# Altium PCB PCB1.PcbDoc (part 1 of 5) (continued)
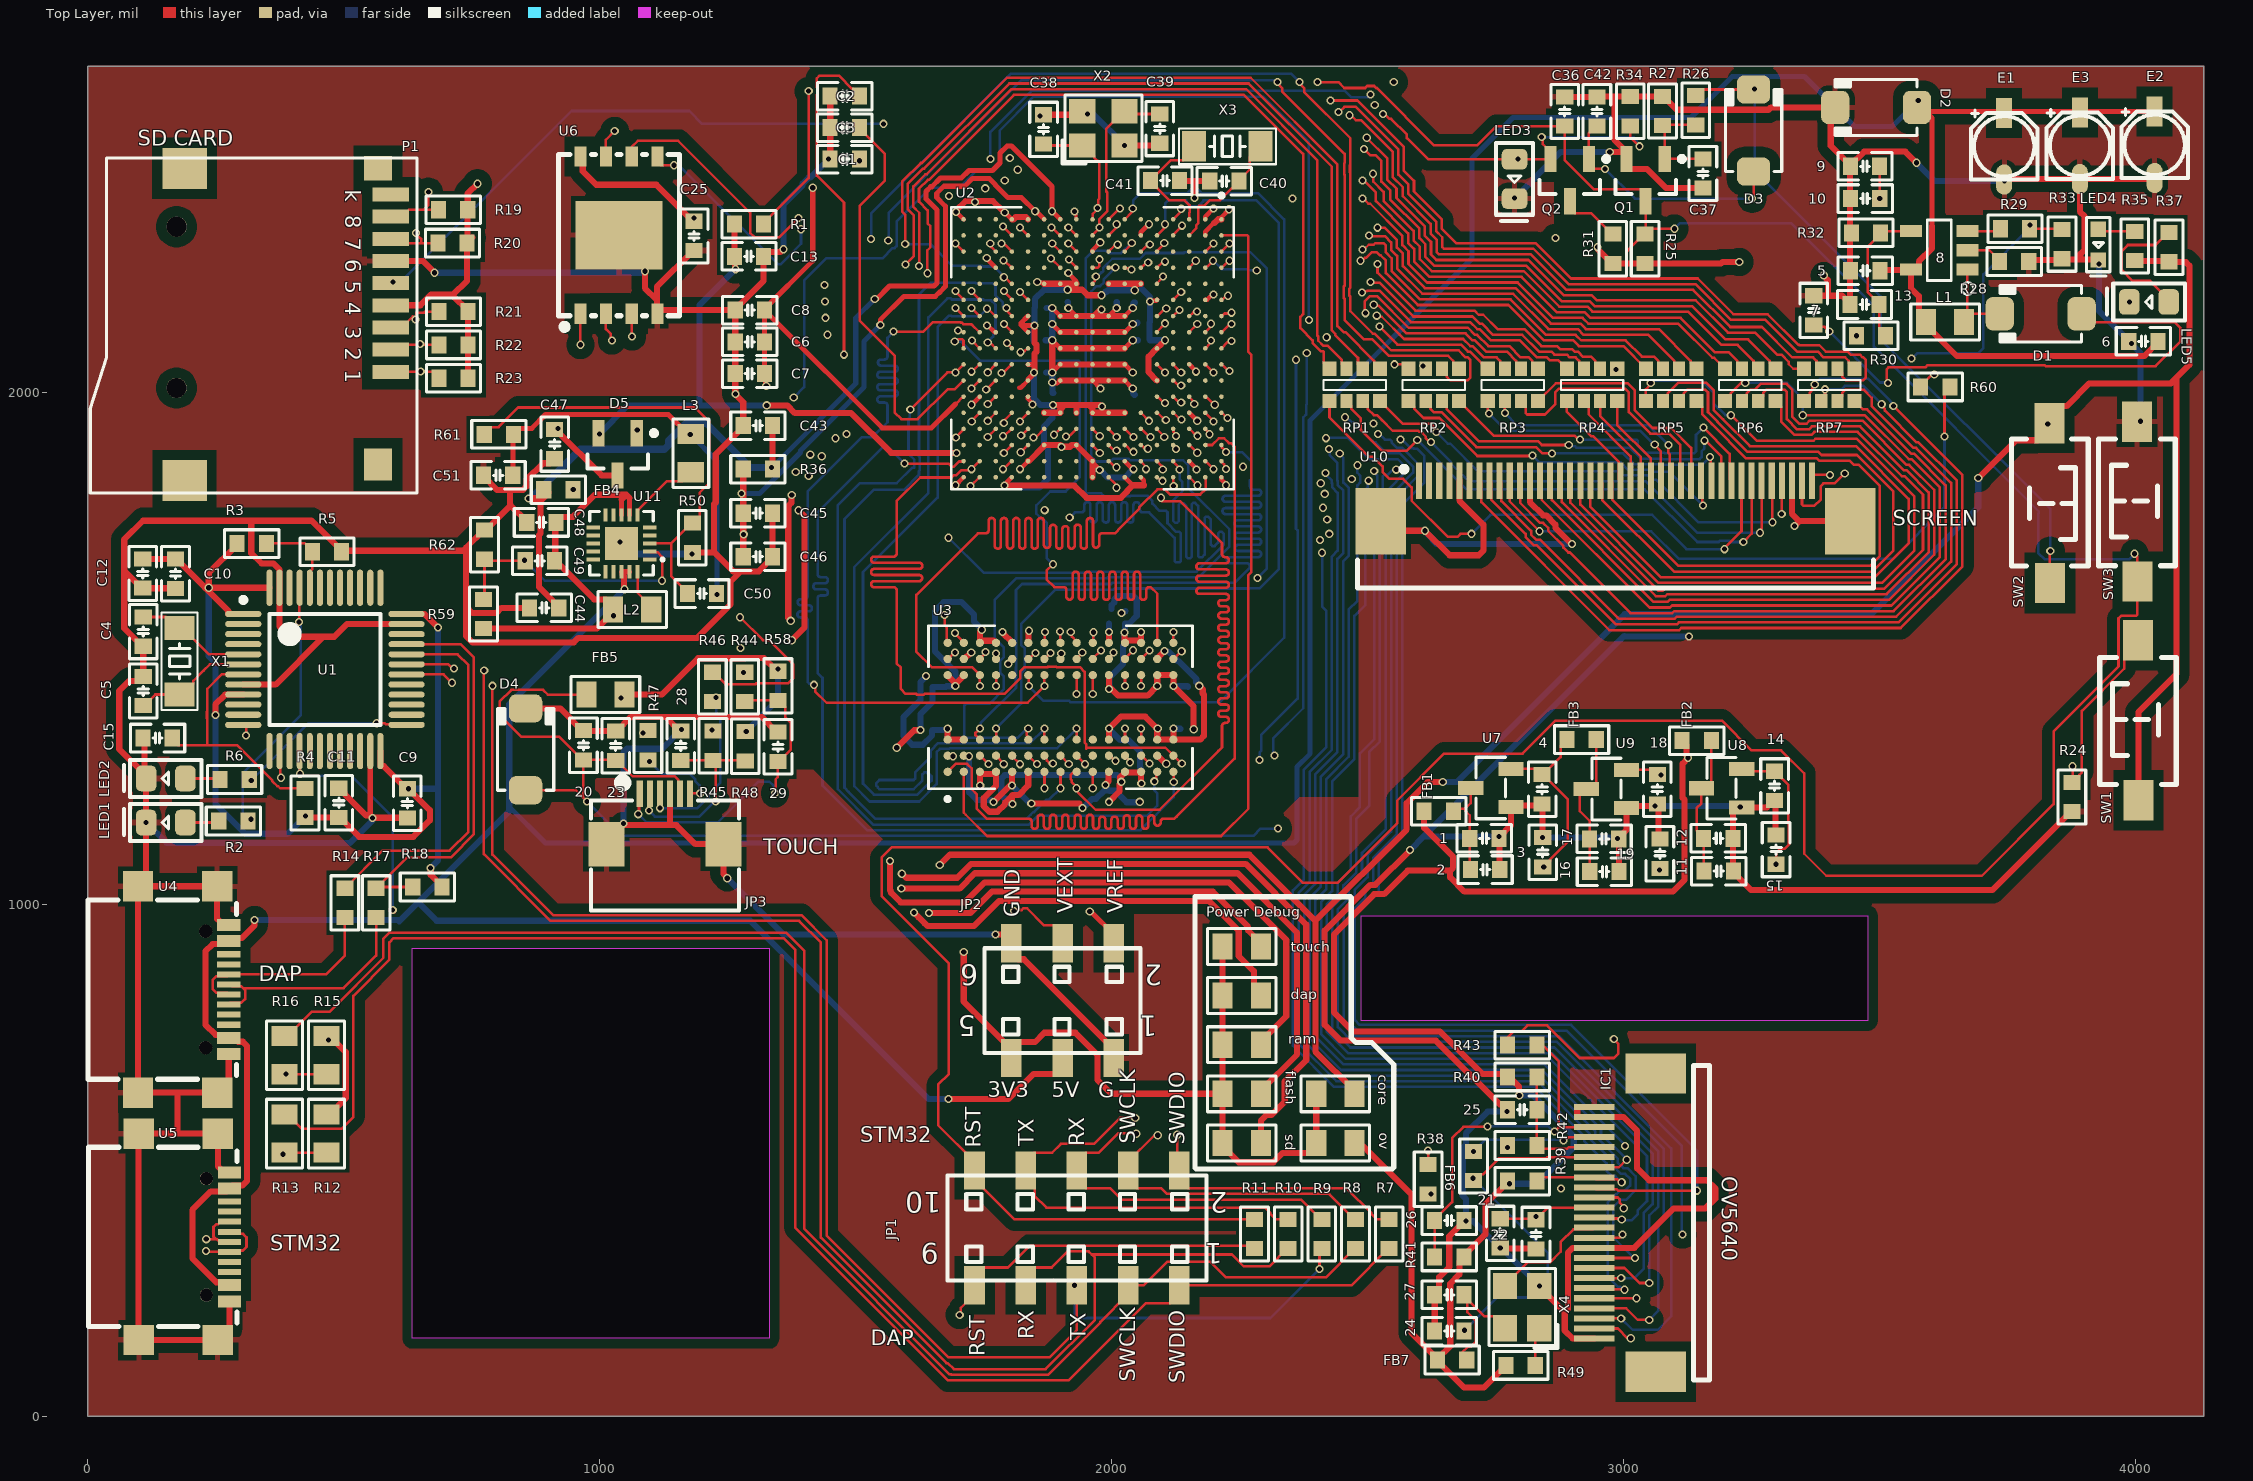
[diagram p0: Top Layer view]
## Footprints (in the part's own frame and the unit in brackets; to place one, negate y for a bottom-side part, rotate by r counter-clockwise, add the part's x,y. Pads: shape width x height; smd on the part's side, far side on the other; paste and mask are expansions set on the pad) (continued)
FPC0.5-WT-6P [mm]
  rect 1.8x2.2 smd: 0(-2.9,0) 0(2.9,0)
  rect 0.3x1.3 smd: 1(-1.25,2.497) 2(-0.75,2.497) 3(-0.25,2.497) 4(0.25,2.497) 5(0.75,2.497) 6(1.25,2.497)
  silkscreen extent -3.67,-3.3 3.67,3.23, body extent -3.6,-3.15 3.6,2.85, height 2
HDR2.54-M-LS-2x3P [mm]
  rect 1.02x1.9 smd: 1(-2.54,2.85) 2(-2.54,-2.85) 3(0,2.85) 4(0,-2.85) 5(2.54,2.85) 6(2.54,-2.85)
  silkscreen extent -3.87,-2.6 3.87,2.6, body extent -3.84,-3.2 3.84,3.2, height 5.15
HDR2.54-M-LS-2x5P [mm]
  rect 1.02x1.9 smd: 1(-5.08,2.85) 2(-5.08,-2.85) 3(-2.54,2.85) 4(-2.54,-2.85) 5(0,2.85) 6(0,-2.85) 7(2.54,2.85) 8(2.54,-2.85) 9(5.08,2.85) 10(5.08,-2.85)
  silkscreen extent -6.42,-2.6 6.41,2.6, body extent -6.38,-3.2 6.38,3.2, height 5.15
IC_STM32H750XBH6 [mm]
  round 0.225 smd paste+0.012 mask+0.032: A1(-6.4,6.4) A2(-5.6,6.4) A3(-4.8,6.4) A4(-4,6.4) A5(-3.2,6.4) A6(-2.4,6.4) A7(-1.6,6.4) A8(-0.8,6.4) A9(0,6.4) A10(0.8,6.4) A11(1.6,6.4) A12(2.4,6.4) A13(3.2,6.4) A14(4,6.4) A15(4.8,6.4) A16(5.6,6.4) A17(6.4,6.4) B1(-6.4,5.6) B2(-5.6,5.6) B3(-4.8,5.6) B4(-4,5.6) B5(-3.2,5.6) B6(-2.4,5.6) B7(-1.6,5.6) B8(-0.8,5.6) B9(0,5.6) B10(0.8,5.6) B11(1.6,5.6) B12(2.4,5.6) B13(3.2,5.6) B14(4,5.6) B15(4.8,5.6) B16(5.6,5.6) B17(6.4,5.6) C1(-6.4,4.8) C2(-5.6,4.8) C3(-4.8,4.8) C4(-4,4.8) C5(-3.2,4.8) C6(-2.4,4.8) C7(-1.6,4.8) C8(-0.8,4.8) C9(0,4.8) C10(0.8,4.8) C11(1.6,4.8) C12(2.4,4.8) C13(3.2,4.8) C14(4,4.8) C15(4.8,4.8) C16(5.6,4.8) C17(6.4,4.8) D1(-6.4,4) D2(-5.6,4) D3(-4.8,4) D4(-4,4) D5(-3.2,4) D6(-2.4,4) D7(-1.6,4) D8(-0.8,4) D9(0,4) D10(0.8,4) D11(1.6,4) D12(2.4,4) D13(3.2,4) D14(4,4) D15(4.8,4) D16(5.6,4) D17(6.4,4) E1(-6.4,3.2) E2(-5.6,3.2) E3(-4.8,3.2) E4(-4,3.2) E5(-3.2,3.2) E6(-2.4,3.2) E7(-1.6,3.2) E8(-0.8,3.2) E9(0,3.2) E10(0.8,3.2) E11(1.6,3.2) E12(2.4,3.2) E13(3.2,3.2) E14(4,3.2) E15(4.8,3.2) E16(5.6,3.2) E17(6.4,3.2) F1(-6.4,2.4) F2(-5.6,2.4) F3(-4.8,2.4) F4(-4,2.4) F5(-3.2,2.4) F13(3.2,2.4) F14(4,2.4) F15(4.8,2.4) F16(5.6,2.4) F17(6.4,2.4) G1(-6.4,1.6) G2(-5.6,1.6) G3(-4.8,1.6) G4(-4,1.6) G5(-3.2,1.6) G7(-1.6,1.6) G8(-0.8,1.6) G9(0,1.6) G10(0.8,1.6) G11(1.6,1.6) G13(3.2,1.6) G14(4,1.6) G15(4.8,1.6) G16(5.6,1.6) G17(6.4,1.6) H1(-6.4,0.8) H2(-5.6,0.8) H3(-4.8,0.8) H4(-4,0.8) H5(-3.2,0.8) H7(-1.6,0.8) H8(-0.8,0.8) H9(0,0.8) H10(0.8,0.8) H11(1.6,0.8) H13(3.2,0.8) H14(4,0.8) H15(4.8,0.8) H16(5.6,0.8) H17(6.4,0.8) J1(-6.4,0) J2(-5.6,0) J3(-4.8,0) J4(-4,0) J5(-3.2,0) J7(-1.6,0) J8(-0.8,0) J9(0,0) J10(0.8,0) J11(1.6,0) J13(3.2,0) J14(4,0) J15(4.8,0) J16(5.6,0) J17(6.4,0) K1(-6.4,-0.8) K2(-5.6,-0.8) K3(-4.8,-0.8) K4(-4,-0.8) K5(-3.2,-0.8) K7(-1.6,-0.8) K8(-0.8,-0.8) K9(0,-0.8) K10(0.8,-0.8) K11(1.6,-0.8) K13(3.2,-0.8) K14(4,-0.8) K15(4.8,-0.8) K16(5.6,-0.8) K17(6.4,-0.8) L1(-6.4,-1.6) L2(-5.6,-1.6) L3(-4.8,-1.6) L4(-4,-1.6) L5(-3.2,-1.6) L7(-1.6,-1.6) L8(-0.8,-1.6) L9(0,-1.6) L10(0.8,-1.6) L11(1.6,-1.6) L13(3.2,-1.6) L14(4,-1.6) L15(4.8,-1.6) L16(5.6,-1.6) L17(6.4,-1.6) M1(-6.4,-2.4) M2(-5.6,-2.4) M3(-4.8,-2.4) M4(-4,-2.4) M5(-3.2,-2.4) M13(3.2,-2.4) M14(4,-2.4) M15(4.8,-2.4) M16(5.6,-2.4) M17(6.4,-2.4) N1(-6.4,-3.2) N2(-5.6,-3.2) N3(-4.8,-3.2) N4(-4,-3.2) N5(-3.2,-3.2) N6(-2.4,-3.2) N7(-1.6,-3.2) N8(-0.8,-3.2) N9(0,-3.2) N10(0.8,-3.2) N11(1.6,-3.2) N12(2.4,-3.2) N13(3.2,-3.2) N14(4,-3.2) N15(4.8,-3.2) N16(5.6,-3.2) N17(6.4,-3.2) P1(-6.4,-4) P2(-5.6,-4) P3(-4.8,-4) P4(-4,-4) P5(-3.2,-4) P6(-2.4,-4) P7(-1.6,-4) P8(-0.8,-4) P9(0,-4) P10(0.8,-4) P11(1.6,-4) P12(2.4,-4) P13(3.2,-4) P14(4,-4) P15(4.8,-4) P16(5.6,-4) P17(6.4,-4) R1(-6.4,-4.8) R2(-5.6,-4.8) R3(-4.8,-4.8) R4(-4,-4.8) R5(-3.2,-4.8) R6(-2.4,-4.8) R7(-1.6,-4.8) R8(-0.8,-4.8) R9(0,-4.8) R10(0.8,-4.8) R11(1.6,-4.8) R12(2.4,-4.8) R13(3.2,-4.8) R14(4,-4.8) R15(4.8,-4.8) R16(5.6,-4.8) R17(6.4,-4.8) T1(-6.4,-5.6) T2(-5.6,-5.6) T3(-4.8,-5.6) T4(-4,-5.6) T5(-3.2,-5.6) T6(-2.4,-5.6) T7(-1.6,-5.6) T8(-0.8,-5.6) T9(0,-5.6) T10(0.8,-5.6) T11(1.6,-5.6) T12(2.4,-5.6) T13(3.2,-5.6) T14(4,-5.6) T15(4.8,-5.6) T16(5.6,-5.6) T17(6.4,-5.6) U1(-6.4,-6.4) U2(-5.6,-6.4) U3(-4.8,-6.4) U4(-4,-6.4) U5(-3.2,-6.4) U6(-2.4,-6.4) U7(-1.6,-6.4) U8(-0.8,-6.4) U9(0,-6.4) U10(0.8,-6.4) U11(1.6,-6.4) U12(2.4,-6.4) U13(3.2,-6.4) U14(4,-6.4) U15(4.8,-6.4) U16(5.6,-6.4) U17(6.4,-6.4)
  silkscreen extent -7.67,-7 7,7, body extent -7,-7 7,7, height 1.1
L0805 [mm]
  rect 1x1.3 smd: 1(-0.95,0) 2(0.95,0)
  silkscreen extent -1.7,-0.89 1.7,0.89, body extent -1,-0.65 1,0.65, height 1.3
LED0603_R [mil]
  rect 30x30 smd: 1(-30,0) 2(30,0)
  silkscreen extent -53,-23 61,23, body extent -31,-16 32,16, height 18
LED0805_G [mil]
  rrect50% 40x50 smd: 1(-38.4,0) 2(38.4,0)
  silkscreen extent -70,-36 82,36, body extent -39,-25 39,25, height 32
LQFP48_N [mm]
  oval 1.8x0.3 smd: 1(-4.05,2.75) 2(-4.05,2.25) 3(-4.05,1.75) 4(-4.05,1.25) 5(-4.05,0.75) 6(-4.05,0.25) 7(-4.05,-0.25) 8(-4.05,-0.75) 9(-4.05,-1.25) 10(-4.05,-1.75) 11(-4.05,-2.25) 12(-4.05,-2.75) 25(4.05,-2.75) 26(4.05,-2.25) 27(4.05,-1.75) 28(4.05,-1.25) 29(4.05,-0.75) 30(4.05,-0.25) 31(4.05,0.25) 32(4.05,0.75) 33(4.05,1.25) 34(4.05,1.75) 35(4.05,2.25) 36(4.05,2.75)
  oval 0.3x1.8 smd: 13(-2.75,-4.05) 14(-2.25,-4.05) 15(-1.75,-4.05) 16(-1.25,-4.05) 17(-0.75,-4.05) 18(-0.25,-4.05) 19(0.25,-4.05) 20(0.75,-4.05) 21(1.25,-4.05) 22(1.75,-4.05) 23(2.25,-4.05) 24(2.75,-4.05) 37(2.75,4.05) 38(2.25,4.05) 39(1.75,4.05) 40(1.25,4.05) 41(0.75,4.05) 42(0.25,4.05) 43(-0.25,4.05) 44(-0.75,4.05) 45(-1.25,4.05) 46(-1.75,4.05) 47(-2.25,4.05) 48(-2.75,4.05)
  silkscreen extent -4.17,-2.75 2.75,3.57, body extent -4.5,-4.5 4.5,4.5, height 1.45
"MICRO SD" [mm]
  round 1 hole 1 unplated: 0(-4,0) 0(4,0)
  rect 0.7x1.8 smd: 1(3.2,10.627) 2(2.1,10.627) 3(1,10.627) 4(-0.1,10.627) 5(-1.2,10.627) 6(-2.3,10.627) 7(-3.4,10.627) 8(-4.5,10.627) 9(-5.6,10.627)
  rect 2.032x2.2 smd: 10(-6.9,0.4) 10(8.6,0.4)
  rect 1.2x1.4 smd: 10(-6.9,10)
  rect 1.6x1.4 smd: 10(7.8,10)
  silkscreen extent -7.4,-4.28 9.2,11.94, body extent -7.05,-3.87 8.95,11.38, height 2
OSC-3225-4P [mm]
  rect 1.3x1.2 smd: 1(-1.05,-0.85) 2(1.05,-0.85) 3(1.05,0.85) 4(-1.05,0.85)
  silkscreen extent -2.03,-1.75 1.91,1.65, body extent -1.6,-1.25 1.6,1.25, height 0.7
OV2640 [mm]
  rect 2x3 smd: 0(-7.4,1.476) 0(7.4,1.476)
  rect 0.3x2 smd: 1(-5.746,-1.574) 2(-5.248,-1.576) 3(-4.748,-1.576) 4(-4.248,-1.576) 5(-3.748,-1.576) 6(-3.248,-1.576) 7(-2.748,-1.576) 8(-2.248,-1.576) 9(-1.748,-1.576) 10(-1.248,-1.576) 11(-0.748,-1.576) 12(-0.248,-1.576) 13(0.252,-1.576) 14(0.752,-1.576) 15(1.252,-1.576) 16(1.752,-1.576) 17(2.252,-1.576) 18(2.752,-1.576) 19(3.252,-1.576) 20(3.752,-1.576) 21(4.252,-1.576) 22(4.752,-1.576) 23(5.252,-1.576) 24(5.752,-1.576)
  silkscreen extent -7.8,3.34 7.8,4.13
QFN-20_L3.0-W3.0-P0.40-BL-EP1.7 [mm]
  rect 0.2x0.665 smd paste-100 mask+0.051: 1(-0.8,-1.22) 2(-0.4,-1.22) 3(0,-1.22) 4(0.4,-1.22) 5(0.8,-1.22) 11(0.8,1.595) 12(0.4,1.595) 13(0,1.595) 14(-0.4,1.595) 15(-0.8,1.595)
  rect 0.665x0.2 smd paste-100 mask+0.051: 6(1.407,-0.612) 7(1.407,-0.212) 8(1.407,0.188) 9(1.407,0.588) 10(1.407,0.988) 16(-1.407,0.988) 17(-1.407,0.588) 18(-1.407,0.188) 19(-1.407,-0.212) 20(-1.407,-0.612)
  rect 1.65x1.65 smd paste-100 mask+0.051: 21(0,0.188)
  silkscreen extent -1.58,-1.93 1.58,1.76
R0603_L [mm]
  rect 0.75x0.85 smd: 1(-0.725,0) 2(0.725,0)
  silkscreen extent -1.35,-0.69 1.35,0.69, body extent -0.8,-0.4 0.8,0.4, height 0.4
R0805_L [mm]
  rect 1x1.3 smd: 1(-0.95,0) 2(0.95,0)
  silkscreen extent -1.7,-0.89 1.7,0.89, body extent -1,-0.62 1,0.63, height 0.5
SMA [mil]
  rrect50% 55x65 smd: 1(80,0) 2(-80,0)
  silkscreen extent -80,-55 80,55, body extent -98,-53 98,53, height 85
SOT23-3N [mm]
  rect 0.6x1.3 smd: 1(-0.95,-1.05) 2(0.95,-1.05) 3(0,1.05)
  silkscreen extent -1.93,-1.17 1.5,0.7, body extent -1.5,-1.2 1.5,1.2, height 1.05
SOT-23(OT)5_LEAD [mm]
  rect 0.6x1.1 smd: 1(-0.95,-1.4) 2(0,-1.4) 3(0.95,-1.4) 4(0.95,1.4) 5(-0.95,1.4)
  silkscreen extent -2.2,-1.7 1.5,0.6
SOT-23-3_L2.9-W1.3-P1.90-LS2.4-BR [mm]
  rect 1.25x0.7 smd paste+0 mask+0.051: 1(431.596,-422.514) 2(431.596,-420.614) 3(429.597,-421.564)
  silkscreen extent 429.87,-423.09 431.32,-420.04
"SW SMD-3*6*2.5" [mm]
  rect 2x1.5 smd: 1(-3.996,-0.02) 2(3.937,0)
  silkscreen extent -3.21,-1.9 3.09,1.9, body extent -4,-1.75 4,1.75, height 2.59
USB-C-SMD_ZX-TYPEC-WTM1628 [mm]
  rect 1.5x1.5 smd paste+0 mask+0.051: 13(-5.12,2.817) 14(-5.12,-1.113) 15(5.12,2.817) 16(5.12,-1.113)
  rect 0.6x1.15 smd paste+0 mask+0.051: A1B12(-3.2,3.392) A4B9(-2.4,3.392) B1A12(3.2,3.392) B4A9(2.4,3.392)
  rect 0.3x1.15 smd paste+0 mask+0.051: A5(-1.25,3.392) A6(-0.25,3.392) A7(0.25,3.392) A8(1.25,3.392) B5(1.75,3.392) B6(0.75,3.392) B7(-0.75,3.392) B8(-1.75,3.392)
  round 0.65 hole 0.65 unplated paste+0: ""(-2.89,2.249) ""(2.89,2.249)
  silkscreen extent -4.44,-3.59 4.45,3.77
WSON-8_L8.0-W6.0-P1.27-TL-EP-1 [mm]
  rect 1x0.6 smd paste+0 mask+0.05: 1(-3.75,1.905) 2(-3.75,0.635) 3(-3.75,-0.635) 4(-3.75,-1.905) 5(4.05,-1.905) 6(4.05,-0.635) 7(4.05,0.635) 8(4.05,1.905)
  rect 3.4x4.3 smd paste+0 mask+0.05: 9(0.15,0)
  silkscreen extent -4.55,-3 4.15,3
XTAL-3215-2P [mm]
  rect 1.2x1.5 smd: 1(-1.65,0) 2(1.65,0)
  silkscreen extent -2.41,-0.89 2.41,0.89, body extent -1.6,-0.75 1.6,0.75, height 0.61
XTAL-3225-4P [mm]
  rect 1.3x1.2 smd: 1(-1.05,-0.85) 2(1.05,-0.85) 3(1.05,0.85) 4(-1.05,0.85)
  silkscreen extent -2.03,-1.75 1.91,1.65, body extent -1.6,-1.25 1.6,1.25, height 0.7

## Part data
1 2 3 4 5 6 7 9 10 11 12 13 14 15 16 17 18 19 20 21 22 23 24 25 26 27 28 29 C1 C2 C3 C4 C5 C6 C7 C8 C9 C10 C11 C12 C13 C14 C15 C16 C17 C18 C19 C20 C21 C22 C23 C24 C25 C26 C27 C29 C30 C31 C32 C33 C34 C35 C36 C37 C38 C39 C40 C41 C42 C43 C44 C45 C46 C47 C48 C49 C50 C51: library part C, "贴片电容/MLCC电容"
8: "LED Driver IC 1 Output DC DC Regulator Step-Up (Boost) Analog, PWM Dimming 750mA (Switch) TSOT-23-5"
core dap flash ov R1 R2 R3 R4 R5 R6 R7 R8 R9 R10 R11 R12 R13 R14 R15 R16 R17 R18 R19 R20 R21 R22 R23 R24 R25 R26 R27 R28 R29 R30 R31 R32 R33 R34 R35 R36 R37 R38 R39 R40 R41 R42 R43 R44 R45 R46 R47 R48 R49 R50 R58 R59 R60 R61 R62 ram sd touch: library part R, "贴片电阻"
D1: "肖特基二极管"
D2: library part SS14, "肖特基二极管"
D3 D4: "整流二极管"
D5: "两路肖特基二极管"
E1 E2 E3: library part CE_SMD, "贴片电解电容"
FB1 FB2 FB3 FB4 FB5 FB6 FB7: library part FB, "贴片磁珠"
JP1: "5*2P接插件"
JP2: library part "Header 3X2", "3*2P接插件"
JP3: library part "Header 6", "6P连接器"
L1 L2 L3: library part L, "贴片小功率电感"
LED1 LED2 LED3 LED4 LED5: library part LED, "贴片LED"
P1: library part "Micro SD_SD", "自弹式TF卡座"
Q1 Q2: library part 8050-SMD, "高频放大-NPN型"
RP1 RP2 RP3 RP4 RP5 RP6 RP7: library part RES_4P
SW1 SW2 SW3: library part "SW 3x6", "3x6轻触开关"
U1: "STM32 ARM-based 32-bit MCU Performance Line with 64 kB Flash, 20 kB Internal RAM, -40 to +85癈 Temperature, 48-Pin LQFP, Tray"
U2: "ARMÂ® CortexÂ®-M7 STM32H7 Microcontroller IC 32-Bit 480MHz 128KB (128K x 8) FLASH 240+25-TFBGA (14x14)"
U3: "SDRAM Memory IC 128Mb _4M x 32_ Parallel 167MHz 5.4ns 90-VFBGA _8x13_"
U9: library part LN6206P282MR-G
X1 X3: library part XTAL-2P, "2脚无源晶振(谐振器）"
X2: library part XTAL-4P, "4脚无源晶振(谐振器）"
X4: library part XTAL-ACT-4P, "4脚有源晶振(振荡器)"

## Via types
v1: diameter 16, hole 10, Top Layer to Bottom Layer, tented both sides, 590 vias

## Nets (pads, with @x,y where several pads share a name; then routed paths per layer and width w, separated by ;. In a path a pad name is that pad's centre, name@x,y a point inside that pad or via, vN(x,y) a via of type N, cw(c..) or ccw(c..) an arc to the next point about the centre after c; other vN are vias at no path point)
+1.5_ov: 18.2 19.2 IC1.10 U9.2 | length 2047.7
  Top Layer w5: IC1.10@2942.94,427.43 2988.78,427.43 2992.43,423.79 2992.43,417.23 3000.39,409.27 v1(3000.39,406.29) ; U9.2@3006,1262.8 3056.74,1262.8 18.2@3066,1253.54 3072.45,1253.54 v1(3073.28,1252.72) ; v1(3070,1067) 3071,1068 19.2@3071,1070.46
  Layer 1 w5: v1(3000.39,406.29) 2940.31,406.29 2846.6,500 2698,500 2685.5,512.5 2685.5,663.5 2642,707 2499,707 2429,777 2429,974 2487.18,1032.18 2780.18,1032.18 2804,1056 2804,1056.82 2837.13,1089.96 2941.53,1089.96 2964.49,1067 v1(3070,1067)
  Layer 3 w5: v1(3070,1067) 3070,1069.98 3078.27,1078.25 3078.27,1199.06 3073.28,1204.06 v1(3073.28,1252.72)
+1.8_h7: C6.1 C7.1 C8.1 C50.2 C51.1 L3.1 R61.1 U2.A6 U2.C17 U2.U12 | length 5756.3
  Top Layer w5: 1694.76,1977.76 1695.52,1977.76 1709.76,1992.01 U2.U12@1710.51,1992.01 ; U2.C17@2151.46,1834.53 2151.6,1834.53 2167.35,1818.78 v1(2167.5,1818.78) ; U2.A6@2214.45,2180.98 2215.49,2180.98 2221.56,2187.05 2225.08,2187.05 v1(2227.18,2189.15)
  Top Layer w10: C51.1@829.81,1838.31 830.54,1839.04 830.54,1917.58 R61.1@831.26,1918.31 831.26,1920.28 841.03,1930.04 866.86,1930.04 894.05,1957.24 1133.69,1957.24 1172.62,1918.31 v1(1176.72,1918.31) ; v1(1325,2013) 1324.5,2012.5 1323.85,2013.15 1323.85,2034.69 C7.1@1321.54,2037 C6.1@1321.54,2099 C8.1@1321.54,2159.03 ; v1(1416,2400) 1416,2257.43 1321.54,2162.97 C8.1@1321.54,2161 C8.1@1321.54,2159.03 ; 1694.76,1977.76 1648,1931 1551.54,1931 1333.28,2149.27 1331.31,2149.27 C8.1@1321.54,2159.03
  Layer 1 w10: v1(1176.72,1918.31) 1231.31,1918.31 1325,2012 v1(1325,2013) ; v1(1416,2400) 1416,2560 1450,2594 2290,2594 2361.3,2522.7 2472.17,2522.7 2474.74,2525.26 2477.26,2525.26 v1(2514,2562)
  Layer 2 w10: v1(2425,1724) 2456,1693 2648,1693 2684,1729 2684,1837.7 2707,1860.7 2707,2107 2891,2291 2891,2324 2803,2412 2733,2412 2574,2571 2549.31,2571 2541.31,2563 2515,2563 v1(2514,2562)
  Layer 3 w10: v1(2227.18,2189.15) 2297.39,2189.15 2345.24,2237 2346,2237 2368.06,2259.06 2368.06,2268.58 2462.24,2362.76 2462.24,2394.67 2460,2396.91 2460,2430.3 2480.79,2451.09 2484.54,2451.09 2490.45,2457 2500.87,2457 2549,2505.13 2549,2551.81 2537.81,2563 2522.07,2563 2517.07,2558 2514,2558 v1(2514,2562)
  Layer 4 w10: v1(2167.5,1818.78) 2167.5,1793.73 2117,1743.23 2117,1731 2126,1722 2252,1722 2271,1741 2405,1741 2413,1733 2417.87,1733 2425,1725.87 v1(2425,1724)
  Bottom Layer w10: v1(1176.72,1918.31) 1228.72,1866.31 v1(1228.72,1605.31)
+2.8_ov: 3.2 4.2 FB3.2 FB6.1 IC1.4 R38.1 U7.2 | length 1931.6
  Top Layer w5: FB6.1@2618,491.54 v1(2618,519) ; v1(2706.49,517.12) 2706.72,517.12 R38.1@2706.98,517.39 ; U7.2@2780,1264.8 2829.74,1264.8 4.2@2841,1253.54 4.2@2842.97,1253.54 ; v1(2843.97,1073.46) 2856.23,1085.72 2856.23,1087.69 2891.19,1122.65 2891.19,1205.32 4.2@2842.97,1253.54 ; v1(2877.98,445.29) 2878.98,446.28 v1@2878.98,448.1 ; v1(2882.7,539.02) 2885.68,539.02 2892.2,545.54 IC1.4@2942.94,545.54 ; FB3.2@2889.46,1322 2877.19,1309.74 2877.19,1287.77 4.2@2842.97,1253.54
  Layer 1 w5: v1(2706.49,517.12) 2706.49,667.51 2653,721 2500.56,721 2447,774.56 2447,971 2497.18,1021.18 2791.69,1021.18 v1(2843.97,1073.46)
  Layer 2 w5: v1(2877.98,445.29) 2877.98,521.02 2880.6,523.64 2880.6,536.92 v1(2882.7,539.02)
  Layer 3 w5: v1(2618,519) 2618.94,518.06 2705.55,518.06 v1(2706.49,517.12)
  Bottom Layer w5: v1(2706.49,517.12) 2729.39,540.02 2764.69,540.02 2766.17,541.5 2779.83,541.5 2781.31,540.02 2881.7,540.02 v1(2882.7,539.02)
+3.3: C48.2 C49.2 core.2 dap.2 flash.2 JP2.5 L2.1 ov.2 R59.1 ram.2 sd.2 touch.2 U11.7 U11.8 | length 3290.1
  Top Layer w10: U11.8@1042.34,1760.72 1042.34,1791.21 ; U11.7@1058.09,1760.72 1058.09,1793.8
  Top Layer w12: R59.1@772.72,1538.77 994.08,1538.77 L2.1@1020.16,1564.84 ; L2.1@1020.16,1569 1020.16,1587.78 1012.04,1595.9 989.1,1595.9 924.42,1660.58 920.03,1660.58 911.26,1669.34 C49.2@911.26,1671.31 912.76,1672.81 912.76,1744.81 C48.2@914.26,1746.31 914.26,1748.26 923.03,1757.03 947.03,1757.03 990.38,1800.38 1051.5,1800.38 ; v1(1027,1564) L2.1@1032,1569 ; 1042.34,1791.21 1051.5,1800.38 ; 1058.09,1793.8 1051.5,1800.38 ; v1(1711,907) 1711,810.12 JP2.5@1804,717.12 ; JP2.5@1804,699.8 JP2.5@1804,717.12 ; touch.2@2216.6,918 dap.2@2216.6,822 ram.2@2216.6,726 flash.2@2216.6,630 ; core.2@2399.6,630 ov.2@2399.6,534 2399.6,528.09 2385.91,514.41 2334.06,514.41 2316.06,496.41 2248.28,496.41 2216.6,528.09 sd.2@2216.6,534 flash.2@2216.6,630 ; JP2.5@1804,717.12 1818.08,731.2 1850.2,731.2 1868.2,749.2 1929.05,749.2 1971.92,706.32 1971.92,657.42 1999.34,630 flash.2@2216.6,630
  Layer 3 w12: v1(1027,1564) 1027,1502.57 1238.57,1291 1489,1291 1712,1068 1712,988.54 1711,987.54 v1(1711,907)
+3.3_dap: C9.2 C10.2 C11.2 C12.2 dap.1 R3.2 R4.2 R12.1 R15.1 R18.1 U1.1 U1.9 U1.24 U1.36 U1.48 | length 4991.9
  Top Layer w12: C12.2@107,1675 107.23,1674.77 170.77,1674.77 C10.2@171,1674.54 172.97,1674.54 v1@228.94,1618.57 ; v1(249,1370) 249,1390.64 268.17,1409.81 303.34,1409.81 U1.9@303.43,1409.91 ; R3.2@291.46,1705 291.46,1703.03 236,1647.57 v1(236,1618.57) ; U1.1@303.43,1567.39 274.09,1567.39 274,1567.48 274,1573.51 v1@228.94,1618.57 ; U1.48@354.61,1618.57 v1(236,1618.57) ; v1(425,1173) 428.31,1169.69 489.77,1169.69 C11.2@490,1169.91 491.97,1169.91 529.88,1132 635.55,1132 668.03,1164.48 668.03,1183.94 v1(625.97,1226) C9.2@624,1226 622.03,1226 577.8,1270.24 571.24,1270.24 571.15,1270.33 U1.24@571.15,1299.67 ; R12.1@466,589.8 471.91,589.8 503.59,621.49 503.59,711.35 R15.1@474.97,739.97 ; U1.36@622.33,1567.39 622.43,1567.29 657.59,1567.29 v1(684,1540.88) ; v1(669,1071) 669.77,1070.23 669.77,1057.75 R18.1@691.54,1035.97 ; v1(1614,984) 1623,975 1623,974.72 1634.72,963 1635,963 1640,958 1731,958 1780,1007 2189.84,1007 2248.28,948.56 2248.28,898.87 2277.72,869.44 2277.72,835.69 dap.1@2291.4,822 ; v1@228.94,1618.57 v1(236,1618.57)
  Layer 3 w12: v1(425,1173) 425,879 470,834 v1(470,735) ; v1(684,1540.88) 734.3,1490.59 900.39,1490.59 1076.35,1314.63 1107.46,1314.63 1185.09,1237 1443.28,1237 1614,1066.28 v1(1614,984)
  Bottom Layer w12: v1(236,1618.57) 236,1485 249,1472 v1(249,1370) 249,1196.42 307.42,1138 390,1138 v1(425,1173) ; v1(625.97,1226) 684,1226 ; v1(669,1071) 684,1086 684,1226 ; v1(684,1540.88) 684,1226
+3.3_fl: C25.2 flash.1 U6.8 | length 2980.8
  Top Layer w12: U6.8@962.42,2461.04 966.67,2456.8 966.67,2432.33 993,2406 1110.57,2406 C25.2@1179.79,2336.79 ; v1(1373,1554) 1373,1555.08 1368,1560.08 1368,1778.28 1374.23,1784.52 1374.23,1799.23 v1(1375,1800) ; v1(1589,1031) 1702.66,1031 1732.66,1061 2246,1061 2362,945 2362,706.5 2291.4,635.91 flash.1@2291.4,630
  Layer 1 w12: v1(1373,1554) 1470,1457 1470,1354.46 1542,1282.46 1542,1044 1555,1031 v1(1589,1031)
  Layer 3 w12: v1(1184,2341) 1211,2314 1211,2023 1293,1941 1293,1854 1347,1800 v1(1375,1800)
+3.3_h7: C13.2 C26.2 C27.2 C29.2 C30.2 C31.2 C32.2 C33.2 C34.2 C35.2 core.1 D5.2 FB4.1 R1.1 R25.2 R31.2 R35.1 R37.1 SW1.1 SW2.1 U2.E6 U2.E9 U2.E11 U2.F5 U2.F17 U2.G5 U2.G13 U2.G17 U2.H5 U2.H13 U2.J13 U2.K5 U2.K13 U2.L5 U2.L13 U2.M5 U2.M13 U2.N7 U2.N8 U2.N10 U2.N11 U2.N12 U2.P17 | length 12413
  Top Layer w8.86: v1(1790.3,1818.49) 1790.3,1819.83 U2.P17@1805,1834.53 ; 1819.62,2009.39 1822.38,2009.39 U2.N11@1836.5,2023.5 ; 1822.5,2133.74 1822.5,2131.99 U2.N8@1836.5,2117.99 ; U2.N12@1836.5,1992.01 1836.5,1987.45 1845.33,1978.62 v1(1845.33,1976.69) ; v1(1854.64,2215.72) 1856,2214.36 1866.11,2214.36 U2.M5@1867.99,2212.48 ; v1(1915.24,2233.81) 1915.24,2233.42 1930.98,2217.67 U2.K5@1930.98,2212.48 ; U2.G17@2025.47,1834.53 2041.22,1818.78 ; U2.F17@2056.97,1834.53 2062.79,1828.71 2062.79,1824.42 ; v1(2075,2177.92) 2076.37,2179.29 2086.77,2179.29 U2.E6@2088.46,2180.98 ; 2096.34,2094.37 v1(2104.21,2102.24)
  Top Layer w10: U2.N11@1836.5,2023.5 1836.5,2025.49 1848.38,2037.38 v1(1848.38,2039) ; U2.N10@1836.5,2055 1846.31,2055 1849,2057.69 ; U2.N7@1836.5,2149.49 1836.5,2149.36 1822.5,2135.36 1822.5,2133.74 1823.65,2132.59 1827.57,2132.59 1829.16,2131 v1(1849,2131)
  Top Layer w12: FB4.1@947.54,1810 v1(948,1810.46) ; R1.1@1262.91,2329 C13.2@1262.91,2266 1264.23,2264.68 1264.23,2241.77 v1(1265,2241) ; v1(1326,1975) 1366.24,1975 1381.24,1960 1491,1960 1569,1882 v1(1697,1882) ; v1(1664.1,1076.82) 1664.1,1077.1 1684,1097 2269,1097 2398,968 ; v1(1790.3,1818.49) 1790.7,1818.1 1926.9,1818.1 1951,1794 2017.75,1794 2029.63,1805.87 2029.63,1806.91 2041.5,1818.78 ; v1(1848.38,2039) 1849,2039.62 1849,2057.69 1849,2075.77 1852.93,2079.69 1852.93,2093.3 1849,2097.23 v1(1849,2131) ; U2.M13@1867.99,1960.51 U2.L13@1899.49,1960.51 1899.49,1966.84 1908.52,1975.87 ; U2.M5@1867.99,2212.48 U2.L5@1899.49,2212.48 1915.24,2212.48 ; v1(1885.32,1975.87) 1908.52,1975.87 ; U2.K13@1930.98,1960.51 1930.98,1975.13 1931.73,1975.87 ; U2.K5@1930.98,2212.48 1915.24,2212.48 ; v1(1980,2190) 1952.95,2190 1942.13,2200.81 v1(1914,2200.81) 1914.76,2201.58 1914.76,2212.01 1915.24,2212.48 ; v1(1981,1973) 1978.13,1975.87 1954.93,1975.87 ; U2.H5@1993.98,2212.48 U2.G5@2025.47,2212.48 2046,2212.48 ; U2.G13@2025.47,1960.51 U2.H13@1993.98,1960.51 U2.J13@1962.48,1960.51 1962.48,1968.32 1954.93,1975.87 ; 2041.22,1818.78 2041.5,1818.78 ; v1(2045,2199.81) 2045.76,2200.58 2045.76,2212.24 2046,2212.48 ; U2.F5@2056.97,2212.48 2046,2212.48 ; 2062.79,1818.78 2041.5,1818.78 ; U2.E11@2088.46,2023.5 2072.04,2039.93 2072.04,2070.07 U2.E9@2088.46,2086.5 2096.34,2094.37 ; core.1@2474.4,630 2474.4,635.91 2398,712.31 2398,968 ; v1(2646.77,1239) 2617,1239 2576,1198 2576,1146 2398,968 ; v1(2949,2284) 2949,2280.49 2977.03,2252.46 R31.2@2979,2252.46 R25.2@3042,2252.46 3190.46,2252.46 3193,2255 v1(3226,2255) ; v1(3693,1833) 3766.94,1906.94 3808.69,1906.94 3828.69,1926.95 v1(3828.69,1938.79) ; SW2.1@3832.21,1940.31 3832.21,1950.16 3855.74,1973.68 3865.58,1973.68 3909.9,2018 4068.97,2018 4080,2029.03 ; R35.1@3998.58,2257.91 3999.81,2256.69 4064.35,2256.69 R37.1@4065.58,2255.46 4066.04,2255 4098.29,2255 4105.31,2247.97 4105.31,2054.34 4080,2029.03 ; SW1.1@4005.79,1203.69 4005.79,1375.79 4080,1450 4080,2029.03 ; 1908.52,1975.87 1931.73,1975.87 ; 1931.73,1975.87 1954.93,1975.87
  Layer 1 w12: v1(3226,2255) 3295.97,2255 3439.97,2399 3508.87,2399 3828.69,2079.17 v1@3828.69,1942 ; 3781.3,1942 v1@3828.69,1942 ; v1(3828.69,1938.79) v1@3828.69,1942
  Layer 3 w12: v1(999,1919) 948,1868 v1(948,1810.46) 948,1660 999,1609 999,1474 1200,1273 1467.92,1273 v1(1664.1,1076.82) ; v1(1697,1882) 1697.8,1882.8 1726,1882.8 v1(1790.3,1818.49)
  Layer 4 w12: v1(1265,2241) 1284,2260 1284,2514 1338,2568 2160,2568 2272,2456 2521,2456 2549,2428 2805,2428 v1(2949,2284)
  Bottom Layer w12: v1(999,1919) 1055,1975 1194.54,1975 ; v1(1265,2241) 1194.54,2170.54 1194.54,1975 ; v1(1326,1975) 1194.54,1975 ; v1(1790.3,1818.49) 1823.45,1818.49 1826.94,1815 1859,1815 1875.25,1831.25 1875.25,1891.35 1867.46,1899.14 1867.46,1933.63 1884.13,1950.3 1884.13,1974.68 v1(1885.32,1975.87) 1860.13,1975.87 1848.38,1987.62 v1(1848.38,2039) ; C35.2@1847.19,2102 C29.2@1847.19,2132.94 ; C29.2@1849.19,2134.94 1849.19,2165 1850.08,2165.89 1850.08,2183.08 1867.81,2200.81 v1(1914,2200.81) ; v1(1980,2190) 1981.08,2190 1988.08,2197 1990,2197 1992.81,2199.81 C26.2@2010,2199.81 ; C26.2@2010,2199.92 2019.01,2199.92 2019.12,2199.81 v1(2045,2199.81) ; 2058.68,2202.32 2074.23,2186.77 2074.23,2178.69 v1(2075,2177.92) 2075,2163.18 2074.7,2162.88 2074.7,2137.89 2073.81,2137 2073.81,2103.99 2074.81,2102.99 2074.81,2102 2074.93,2102.12 2104.09,2102.12 v1(2104.21,2102.24) ; v1(2646.77,1239) 2674,1239 3002,1567 3484,1567 3693,1776 v1(3693,1833)
+3.3_ov: FB1.2 FB2.2 FB7.1 ov.1 R39.2 R40.2 R41.2 R49.2 | length 3169.4
  Top Layer w12: ov.1@2485,534 2586,433 2586,162.43 FB7.1@2636.46,111.97 ; FB1.2@2610.46,1182 2610.46,1149.54 2667,1093 2667,1072 2661,1066 ; R49.2@2770.44,99.3 2770.44,97.33 2761.67,88.57 2759.71,88.57 2727.14,56 2688.49,56 2636.46,108.03 FB7.1@2636.46,110 FB7.1@2636.46,111.97 ; R39.2@2773.44,457.33 2730.25,414.14 2730.25,355.45 2688.07,313.27 R41.2@2688.07,311.3 2679.3,302.54 2679.3,277 2661.3,259 2661.3,136.82 FB7.1@2636.46,111.97 ; v1(2796.23,627) 2795.47,627.77 2795.47,644.55 2773.44,666.58 2773.44,668.55 2724.43,668.55 2640.98,752 2471,752 2434,789 2434,940.97 2513.03,1020 2532,1020 2578,1066 2661,1066 ; FB2.2@3114.46,1320 3123.22,1311.24 3123.22,1290.08 3125.76,1287.54 v1(3125.76,1286.46) 3125.76,1285.37 3115.39,1275 3115.39,1208.25 3119.09,1204.55 3119.09,1186.1 3119.19,1186 3119.19,1048.19 3096,1025 2689,1025 2661,1053 2661,1066
  Bottom Layer w12: v1(2776.98,454.3) 2830.98,454.3 2902.7,526.02 2902.7,547.31 2823.01,627 v1(2796.23,627)
+3.3_ram: C14.2 C16.2 C17.2 C18.2 C19.2 C20.2 C21.2 C22.2 C23.2 C24.2 ram.1 U3.A7 U3.B2 U3.B7 U3.C9 U3.D9 U3.E1 U3.F9 U3.L1 U3.L7 U3.M9 U3.N9 U3.P2 U3.P7 U3.R7 | length 3657.1
  Top Layer w12: v1(1567,1085) 1567,1027.54 1569,1025.54 1569,1022.72 1587.72,1004 1713,1004 1752,1043 2228.65,1043 2341.09,930.56 2341.09,781.59 2291.4,731.91 ram.1@2291.4,726 ; v1(1580.14,1306.14) 1614.23,1340.23 1625.42,1340.23 v1(1626.19,1341) ; U3.A7@1679.53,1447.99 1679.53,1446.87 1693.73,1432.66 1693.73,1427.69 v1(1694.5,1426.92) 1695.27,1427.69 1695.27,1431.11 1711.02,1446.87 U3.B7@1711.02,1447.99 ; U3.B2@1711.02,1290.51 1711.5,1290.04 1721,1290.04 v1(1721.47,1289.56) ; v1(1746.02,1536.5) 1746.02,1535.42 1742.52,1531.92 U3.C9@1742.52,1510.98 1743.64,1510.98 1747.66,1515 1768.88,1515 1772.88,1511 U3.D9@1774.02,1510.98 ; v1(1769,1200) 1800.73,1231.73 1804.23,1231.73 v1(1805,1232.5) 1805.26,1232.76 1805.26,1258.76 U3.E1@1805.51,1259.02 ; U3.F9@1837.01,1510.98 1837.75,1511.73 1837.75,1533.96 v1(1838.5,1534.71) ; v1(1843,1197) 1937.28,1197 ; v1(1987.83,1233.5) 1987.83,1234.58 1993.7,1240.45 1993.7,1258.22 U3.L1@1994.49,1259.02 ; v1(1994.49,1420.89) 1994.49,1433.88 U3.L7@1994.49,1447.99 ; v1@1995.57,1424.83 2012.48,1407.92 2069.98,1407.92 2088.84,1426.79 v1(2088.89,1426.79) ; v1(2025,1531) 2025.19,1530.81 2025.19,1511.78 U3.M9@2025.98,1510.98 2027.11,1510.98 2031.74,1515.62 2051.72,1515.62 2056.36,1510.98 U3.N9@2057.48,1510.98 v1(2057.48,1532.06) ; U3.P2@2088.98,1290.51 2089.85,1290.51 2105.6,1274.76 v1(2106.47,1274.76) ; v1@2088.98,1426.92 U3.P7@2088.98,1447.99 U3.R7@2120.47,1447.99 2120.47,1433.89 v1(2120.47,1426.92) 2160,1387.39 2160,1342.68 v1(2160.37,1342.31)
  Layer 1 w12: v1(1567,1085) 1567,1291.92 1580.14,1305.06 v1(1580.14,1306.14) ; v1(1746.02,1536.5) 1769.46,1513.06 1805.37,1513.06 1826.26,1533.94 1837.73,1533.94 v1(1838.5,1534.71)
  Layer 2 w12: v1(1626.19,1341) 1657.19,1310 1701.03,1310 v1(1721.47,1289.56) ; v1(2054.71,1200.41) 2055.79,1200.41 2072.6,1217.22 2086.9,1217.22 2102.27,1232.6 2102.27,1269.48 2106.47,1273.68 v1(2106.47,1274.76) 2144.56,1312.85 2144.56,1325.41 2160.37,1341.22 v1(2160.37,1342.31)
  Layer 3 w12: v1@1622.11,1338 1625.11,1341 v1(1626.19,1341)
  Bottom Layer w12: v1(1626.19,1341) 1626.19,1371.63 1649.81,1395.26 1649.81,1425 1676.53,1425 1677.68,1426.16 1693.73,1426.16 v1(1694.5,1426.92) 1694.5,1454.5 1654.56,1494.44 1654.56,1573.39 1671.67,1590.5 1706.64,1590.5 1730.7,1566.44 1730.7,1552.9 1746.02,1537.58 v1(1746.02,1536.5) ; v1(1721.47,1289.56) 1721.47,1219.04 1736.32,1204.19 1764.81,1204.19 v1(1769,1200) ; v1(1805,1232.5) 1840.5,1197 v1(1843,1197) ; v1(1942.93,1188.52) 1944.01,1188.52 1961.75,1206.25 1969.24,1206.25 1985.98,1223 1995,1223 1995.89,1222.11 2006.5,1222.11 2029.13,1199.49 2054.71,1199.49 v1(2054.71,1200.41) ; v1(1994.49,1420.89) 1995.25,1421.66 1995.25,1443.13 2022.4,1470.27 2022.4,1504.49 2024.23,1506.32 2024.23,1530.23 v1(2025,1531) 2025.77,1531.77 2025.77,1548.49 2033.79,1548.49 2048.82,1563.52 2048.82,1596.26 2042.38,1602.7 2011.61,1602.7 2005.17,1596.26 2005.17,1589.85 1999.83,1584.51 C17.2@1999.83,1577.14 ; v1(2120.47,1426.92) 2121.24,1426.15 2148.3,1426.15 2149.19,1425.26 C16.2@2149.19,1425
+3.3_sd: P1.4 R19.1 R20.1 R21.1 R22.1 R23.1 sd.1 | length 3969.9
  Top Layer w12: P1.4@591.39,2170.42 649.41,2170.42 669.99,2191 713,2191 ; R23.1@742.54,2026.03 742.54,2159.97 713,2189.51 713,2191 ; R20.1@751.28,2302.73 749.31,2302.73 R20.1@741.27,2294.7 ; v1(761,2408) 742,2389 R19.1@742,2357 741.27,2356.27 R20.1@741.27,2294.7 ; v1(1375,1516) 1400,1541 1400,1758 v1(1388,1770) ; v1(1590,1060) 1591.03,1060 1599.03,1052 1698.21,1052 1725.21,1079 2261.54,1079 2380,960.54 2380,696 2338.08,654.08 2338.08,614.43 2312.16,588.51 2302.33,588.51 2291.4,577.59 sd.1@2291.4,534 ; 713,2191 740.54,2218.54 740.54,2293.97 R20.1@741.27,2294.7
  Layer 1 w12: v1(1375,1516) 1447,1444 1447,1352 1518,1281 1518,1033 1541,1010 1604.97,1010 1612,1017.03 1612,1052 1604.77,1059.23 1590.77,1059.23 v1(1590,1060)
  Layer 3 w12: v1(761,2408) 1082,2408 1189,2301 1189,2007 1271,1925 1271,1843 1344,1770 v1(1388,1770)
+3.3_to: FB5.1 R48.2 R58.2 touch.1 | length 2040
  Top Layer w12: v1(1041.36,1403.36) 1041.76,1403.36 FB5.1@1048.4,1410 1121,1410 1192,1481 1282.84,1481 1283.12,1481.28 1320.3,1481.28 1341.57,1460 v1(1348,1460) R58.2@1348,1455.54 ; v1(1643,983) 1724,983 1766,1025 2197.3,1025 2266.28,956.02 2266.28,949.02 2291.4,923.91 touch.1@2291.4,918
  Layer 3 w12: v1(1041.36,1403.36) 1079.99,1364.73 1082.81,1364.73 1192.54,1255 1450.74,1255 1643,1062.74 v1(1643,983)
  Bottom Layer w12: v1(1286,1338) 1348,1400 v1(1348,1460)